# KiCad board Module_16S.kicad_pcb (continued)
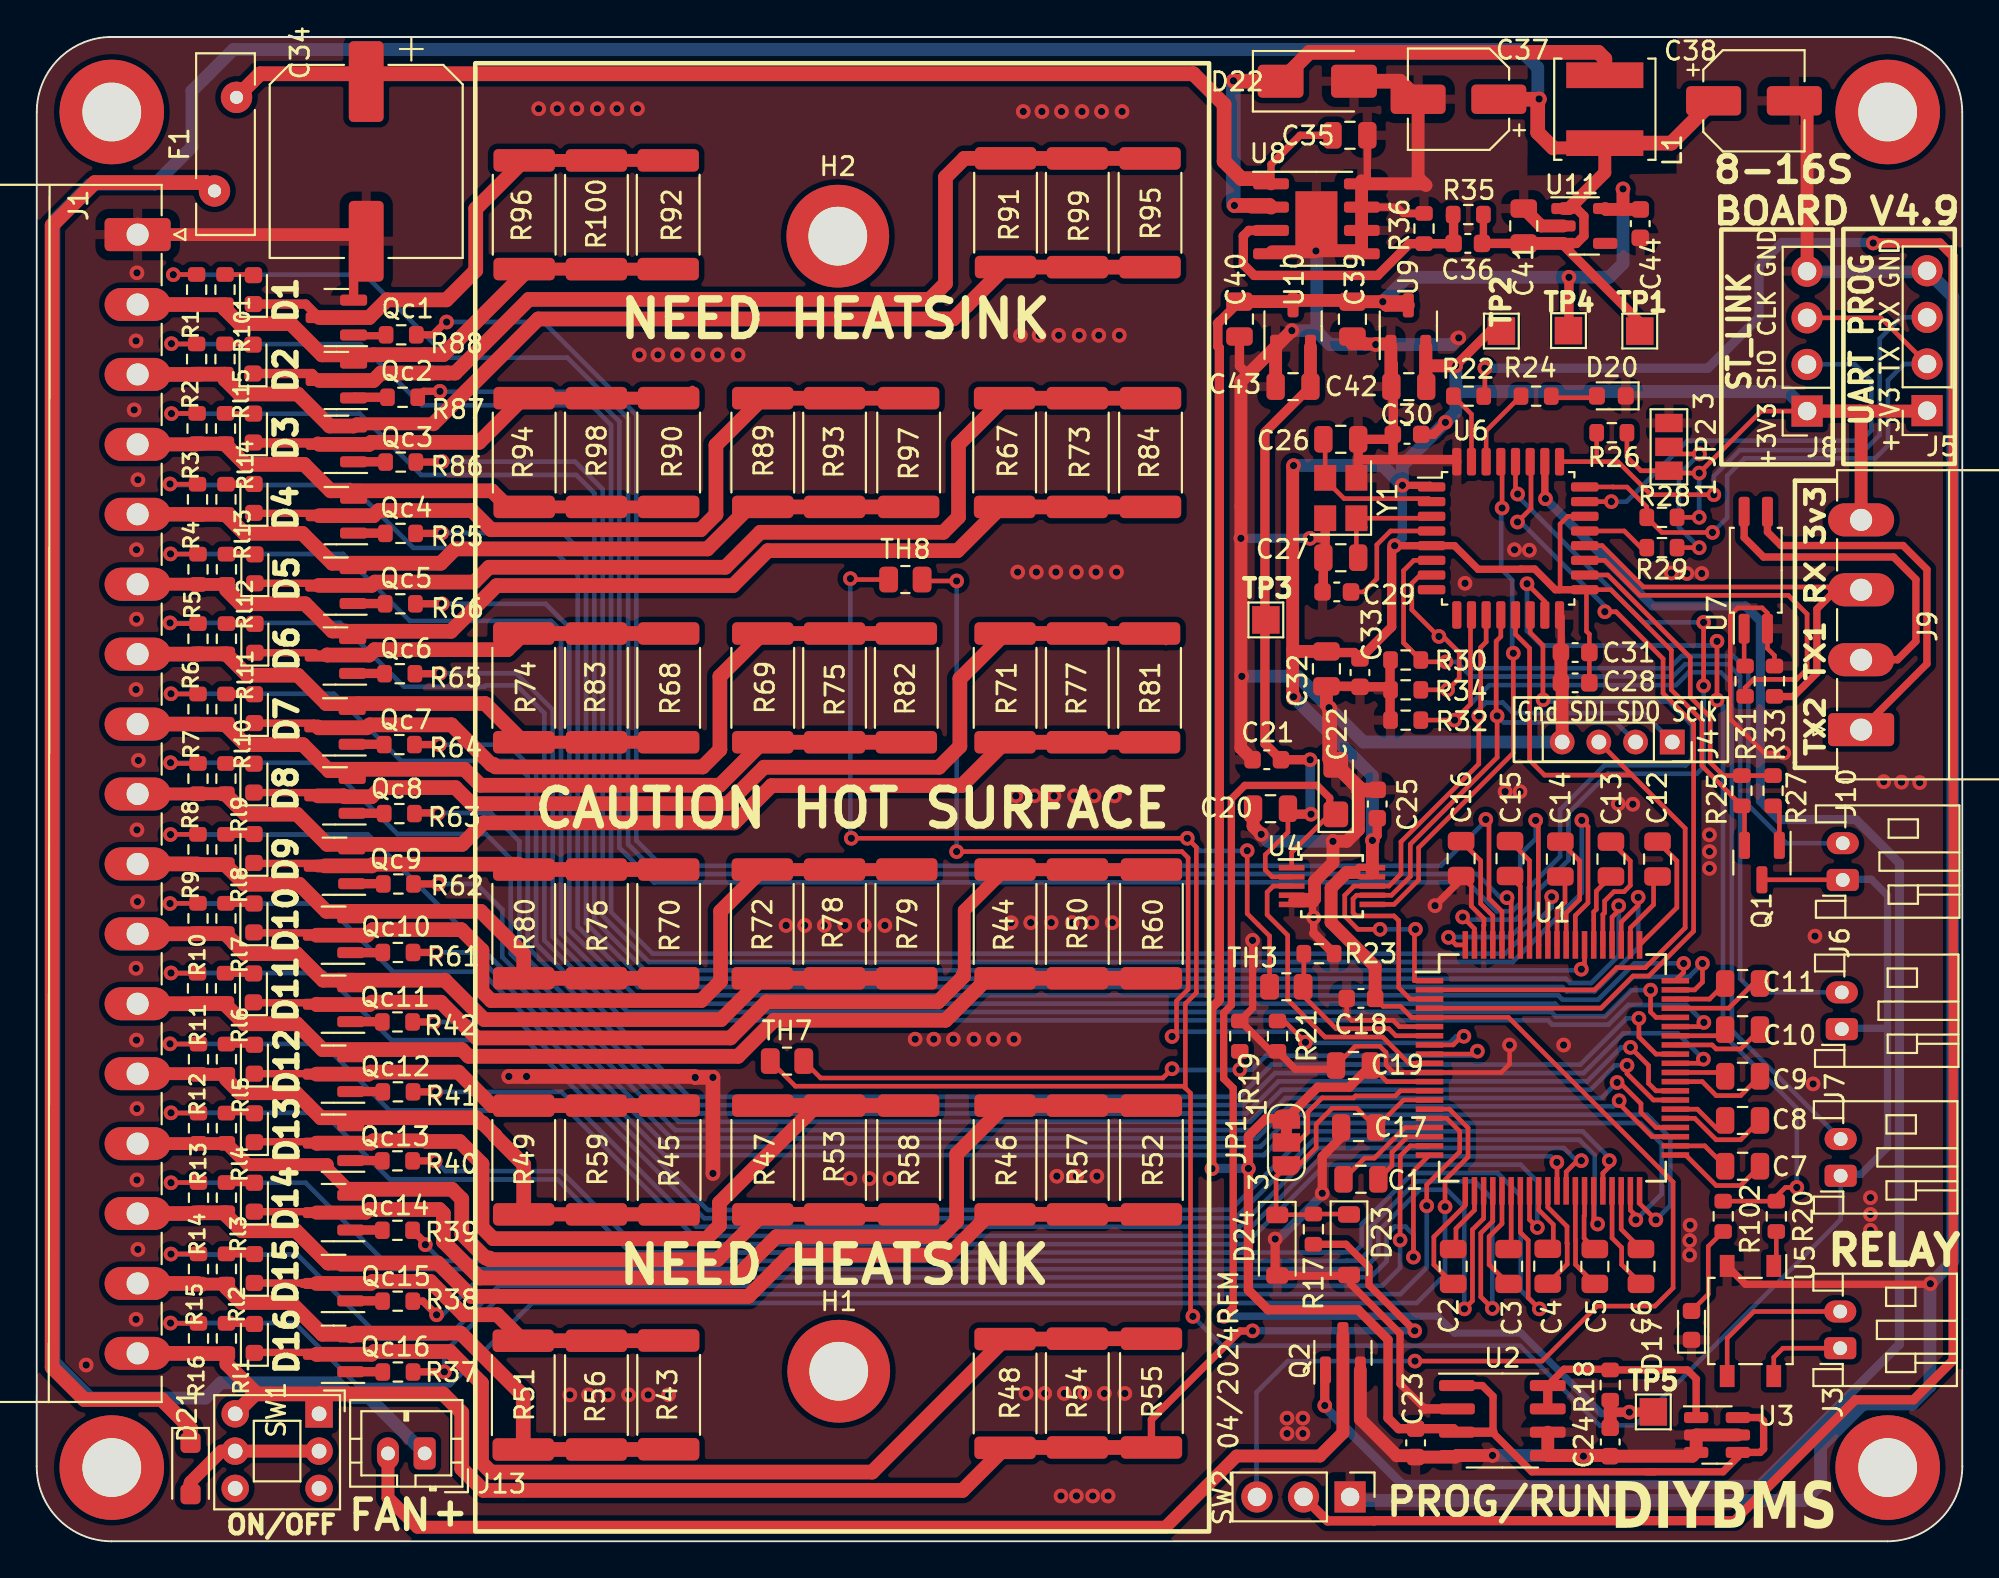
[diagram p0: board, top side]
## Library data of the parts (continued)
U5 = -: Description: Form A, Solid State Relay (Photo MOSFET) 60V, 0.2A, 10Ohm, SO-4; LCSCStockCode: C2691603; PartNumber: LT219-3
U6 = -: Description: STMicroelectronics Arm Cortex-M0 MCU, 32KB flash, 4KB RAM, 48 MHz, 2.4-3.6V, 25 GPIO, LQFP32; LCSCStockCode: C46830; PartNumber: STM32F030K6T6
U7 = -: Description: DC Optocoupler, Vce 35V, CTR 50-300%, DIP-4; LCSCStockCode: C32565
U8 = -: Description: Buck DC/DC Converter, 0.4A, Max 100V Input Voltage; LCSCStockCode: C50848
U9 = -: Description: Positive 60-250mA Low Dropout Regulator, Fixed Output, SOT-23; LCSCStockCode: C2891841
U10 = -: Description: Positive 60-250mA Low Dropout Regulator, Fixed Output, SOT-23; LCSCStockCode: C2984870
U11 = -: Description: 150mA low dropout linear regulator, wide input voltage range, 5.0V fixed positive output, SOT-23-5; LCSCStockCode: C112031
Y1 = -: Description: Four pin crystal, GND on pins 2 and 4, small symbol; LCSCStockCode: C400090; PartNumber: TAXM8M4RDBCCT2T

## Footprints (pads in the part's own frame, mm; a bottom-side part is the same pattern mirrored in y, then rotated)
C_0603_1608Metric
  rrect 0.9x0.95 smd: 1(-0.775,0) 2(0.775,0)
C_0805_2012Metric
  rrect 1x1.45 smd: 1(-0.95,0) 2(0.95,0)
CP_EIA-3216-18_Kemet-A
  rrect 1.4x1.35 smd: 1(-1.35,0) 2(1.35,0)
CP_Elec_5x5.4
  rrect 3x1.6 smd: 1(-2.2,0) 2(2.2,0)
CP_Elec_10x7.9
  rrect 4.4x1.9 smd: 1(-4.35,0) 2(4.35,0)
Crystal_SMD_3225-4Pin_3.2x2.5mm
  rect 1.4x1.2 smd: 1(-1.1,-0.85) 2(1.1,-0.85) 3(1.1,0.85) 4(-1.1,0.85)
D_SMA
  rrect 2.5x1.8 smd: 1(-2,0) 2(2,0)
D_SOD-123
  rrect 0.9x1.2 smd: 1(-1.65,0) 2(1.65,0)
D_SOD-123F
  rrect 1.1x1.1 smd: 1(-1.4,0) 2(1.4,0)
Fuse_Bourns_MF-RHT100
  round 1.71 hole 0.71: 1(0,0) 2(5.1,-1.2)
JST_PH_B2B-PH-K_1x02_P2.00mm_Vertical
  rrect 1.2x1.75 hole 0.75: 1(0,0)
  oval 1.2x1.75 hole 0.75: 2(2,0)
JST_PH_S2B-PH-K_1x02_P2.00mm_Horizontal
  rrect 1.2x1.75 hole 0.75: 1(0,0)
  oval 1.2x1.75 hole 0.75: 2(2,0)
L_Changjiang_FNR5020S
  rect 1.4x4.2 smd: 1(-1.85,0) 2(1.85,0)
LED_0603_1608Metric
  rrect 0.875x0.95 smd: 1(-0.787,0) 2(0.787,0)
LQFP-32_7x7mm_P0.8mm
  rrect 1.5x0.5 smd: 1(-4.175,2.8) 2(-4.175,2) 3(-4.175,1.2) 4(-4.175,0.4) 5(-4.175,-0.4) 6(-4.175,-1.2) 7(-4.175,-2) 8(-4.175,-2.8) 17(4.175,-2.8) 18(4.175,-2) 19(4.175,-1.2) 20(4.175,-0.4) 21(4.175,0.4) 22(4.175,1.2) 23(4.175,2) 24(4.175,2.8)
  rrect 0.5x1.5 smd: 9(-2.8,-4.175) 10(-2,-4.175) 11(-1.2,-4.175) 12(-0.4,-4.175) 13(0.4,-4.175) 14(1.2,-4.175) 15(2,-4.175) 16(2.8,-4.175) 25(2.8,4.175) 26(2,4.175) 27(1.2,4.175) 28(0.4,4.175) 29(-0.4,4.175) 30(-1.2,4.175) 31(-2,4.175) 32(-2.8,4.175)
MountingHole_3.2mm_M3_DIN965_Pad
  round 5.6 hole 3.2: 1(0,0)
MountingHole_3.2mm_M3_ISO7380_Pad
  round 5.7 hole 3.2: 1(0,0)
MountingHole_3.2mm_M3_ISO7380_Pad#2
  round 5.7 hole 3.2: 1(-0.102,0)
MSOP-10_3x3mm_P0.5mm
  rect 1.4x0.3 smd: 1(-2.2,1) 2(-2.2,0.5) 3(-2.2,0) 4(-2.2,-0.5) 5(-2.2,-1) 6(2.2,-1) 7(2.2,-0.5) 8(2.2,0) 9(2.2,0.5) 10(2.2,1)
PhoenixContact_MC_1,5_4-G-3.81_1x04_P3.81mm_Horizontal
  rrect 1.8x3.6 hole 1.2: 1(0,0)
  oval 1.8x3.6 hole 1.2: 2(3.81,0) 3(7.62,0) 4(11.43,0)
PinHeader_1x03_P2.54mm_Vertical
  rect 1.7x1.7 hole 1: 1(0,0)
  oval 1.7x1.7 hole 1: 2(0,-2.54) 3(0,-5.08)
PinSocket_1x04_P2.00mm_Vertical
  rect 1.35x1.35 hole 0.8: 1(0,0)
  oval 1.35x1.35 hole 0.8: 2(0,-2) 3(0,-4) 4(0,-6)
PinSocket_1x04_P2.54mm_Vertical
  rect 1.7x1.7 hole 1: 1(0,0)
  oval 1.7x1.7 hole 1: 2(0,-2.54) 3(0,-5.08) 4(0,-7.62)
R_0603_1608Metric
  rrect 0.8x0.95 smd: 1(-0.825,0) 2(0.825,0)
R_0805_2012Metric
  rrect 1.025x1.4 smd: 1(-0.912,0) 2(0.912,0)
R_2512_6332Metric
  rrect 1.225x3.35 smd: 1(-2.962,0) 2(2.962,0)
SO-4_4.4x4.3mm_P2.54mm
  rect 1.2x0.8 smd: 1(-3,1.27) 2(-3,-1.27) 3(3,-1.27) 4(3,1.27)
SOIC-8-1EP_3.9x4.9mm_P1.27mm_EP2.29x3mm
  rrect 0.92x1.21 smd: (-0.57,0.75) (-0.57,-0.75) (0.57,0.75) (0.57,-0.75)
  rrect 1.95x0.6 smd: 1(-2.475,1.905) 2(-2.475,0.635) 3(-2.475,-0.635) 4(-2.475,-1.905) 5(2.475,-1.905) 6(2.475,-0.635) 7(2.475,0.635) 8(2.475,1.905)
  rect 2.29x3 smd: 9(0,0)
SOIC-8_3.9x4.9mm_P1.27mm
  rrect 1.95x0.6 smd: 1(-2.475,1.905) 2(-2.475,0.635) 3(-2.475,-0.635) 4(-2.475,-1.905) 5(2.475,-1.905) 6(2.475,-0.635) 7(2.475,0.635) 8(2.475,1.905)
SolderJumper-3_P1.3mm_Bridged12_RoundedPad1.0x1.5mm_NumberLabels
  custom 1.05x1.5 smd: 1(-1.3,0) 3(1.3,0)
  rect 1x1.5 smd: 2(0,0)
SolderJumper-3_P1.3mm_Open_Pad1.0x1.5mm_NumberLabels
  rect 1x1.5 smd: 1(-1.3,0) 2(0,0) 3(1.3,0)
SOP-4_4.4x2.6mm_P1.27mm
  rrect 1.625x0.6 smd: 1(-3.188,0.635) 2(-3.188,-0.635) 3(3.188,-0.635) 4(3.188,0.635)
SOT-23
  rrect 1.475x0.6 smd: 1(-0.938,0.95) 2(-0.938,-0.95) 3(0.938,0)
SOT-23-3
  rrect 1.325x0.6 smd: 1(-1.137,0.95) 2(-1.137,-0.95) 3(1.137,0)
SOT-23-5
  rrect 1.325x0.6 smd: 1(-1.137,0.95) 2(-1.137,0) 3(-1.137,-0.95) 4(1.137,-0.95) 5(1.137,0.95)
SOT-23-6
  rrect 1.325x0.6 smd: 1(-1.137,0.95) 2(-1.137,0) 3(-1.137,-0.95) 4(1.137,-0.95) 5(1.137,0) 6(1.137,0.95)
SW_Push_2P2T_Toggle_G_swicht
  rect 1.5x1.5 hole 0.8: 1(0,0)
  round 1.5 hole 0.8: 2(2.032,0) 3(4.064,0) 4(0,-4.572) 5(2.032,-4.572) 6(4.064,-4.572)
TestPoint_Pad_1.5x1.5mm
  rect 1.5x1.5 smd: 1(0,0)
TQFP-80_12x12mm_P0.5mm
  rect 1.5x0.3 smd: 1(-6.7,4.75) 2(-6.7,4.25) 3(-6.7,3.75) 4(-6.7,3.25) 5(-6.7,2.75) 6(-6.7,2.25) 7(-6.7,1.75) 8(-6.7,1.25) 9(-6.7,0.75) 10(-6.7,0.25) 11(-6.7,-0.25) 12(-6.7,-0.75) 13(-6.7,-1.25) 14(-6.7,-1.75) 15(-6.7,-2.25) 16(-6.7,-2.75) 17(-6.7,-3.25) 18(-6.7,-3.75) 19(-6.7,-4.25) 20(-6.7,-4.75) 41(6.7,-4.75) 42(6.7,-4.25) 43(6.7,-3.75) 44(6.7,-3.25) 45(6.7,-2.75) 46(6.7,-2.25) 47(6.7,-1.75) 48(6.7,-1.25) 49(6.7,-0.75) 50(6.7,-0.25) 51(6.7,0.25) 52(6.7,0.75) 53(6.7,1.25) 54(6.7,1.75) 55(6.7,2.25) 56(6.7,2.75) 57(6.7,3.25) 58(6.7,3.75) 59(6.7,4.25) 60(6.7,4.75)
  rect 0.3x1.5 smd: 21(-4.75,-6.7) 22(-4.25,-6.7) 23(-3.75,-6.7) 24(-3.25,-6.7) 25(-2.75,-6.7) 26(-2.25,-6.7) 27(-1.75,-6.7) 28(-1.25,-6.7) 29(-0.75,-6.7) 30(-0.25,-6.7) 31(0.25,-6.7) 32(0.75,-6.7) 33(1.25,-6.7) 34(1.75,-6.7) 35(2.25,-6.7) 36(2.75,-6.7) 37(3.25,-6.7) 38(3.75,-6.7) 39(4.25,-6.7) 40(4.75,-6.7) 61(4.75,6.7) 62(4.25,6.7) 63(3.75,6.7) 64(3.25,6.7) 65(2.75,6.7) 66(2.25,6.7) 67(1.75,6.7) 68(1.25,6.7) 69(0.75,6.7) 70(0.25,6.7) 71(-0.25,6.7) 72(-0.75,6.7) 73(-1.25,6.7) 74(-1.75,6.7) 75(-2.25,6.7) 76(-2.75,6.7) 77(-3.25,6.7) 78(-3.75,6.7) 79(-4.25,6.7) 80(-4.75,6.7)
WJ15EDGRC-3.81-17P
  rrect 1.8x3.6 hole 1.2: 1(0,0)
  oval 1.8x3.6 hole 1.2: 2(3.81,0) 3(7.62,0) 4(11.43,0) 5(15.24,0) 6(19.05,0) 7(22.86,0) 8(26.67,0) 9(30.48,0) 10(34.29,0) 11(38.1,0) 12(41.91,0) 13(45.72,0) 14(49.53,0) 15(53.34,0) 16(57.15,0) 17(60.96,0)

## Nets
3V3_ADC_CS: U4.6 U6.29
3V3_AFE_CS: U1.80 U6.28
3V3_SAMPLE_AFE: U1.4 U6.27
3V3_SPI_SCLK: J4.1 U1.1 U4.8 U6.11
3V3_SPI_SDI: J4.3 U1.2 U6.13
3V3_SPI_SDO: J4.2 U1.3 U4.7 U6.12
+1V8: C20.1 C21.1 C43.1 TP3.1 U4.2 U10.2
+3.3V: C18.1 C25.1 C28.2 C30.2 C31.2 C32.2 C33.2 C42.1 J5.1 J8.1 J9.4 JP2.1 Q1.2 R25.2 R26.2 R28.2 SW2.3 TP2.1 U1.5 U4.9 U4.10 U6.1 U6.5 U6.17 U6.22 U9.2
+5V: C19.1 C23.2 C39.1 C40.1 C44.1 JP1.1 TP4.1 U1.12 U2.1 U2.3 U3.4 U3.6 U9.3 U10.3 U11.5
GND: C16.2 C17.2 C18.2 C19.2 C20.2 C21.2 C22.2 C23.1 C24.1 C25.2 C26.1 C27.1 C28.1 C29.1 C30.1 C31.1 C32.1 C33.1 C34.2 C35.2 C37.2 C38.2 C39.2 C40.2 C41.2 C42.2 C43.2 C44.2 D17.1 D20.1 D22.2 D23.2 D24.2 J1.1 J4.4 J5.4 J8.4 JP2.3 Q2.2 Qc1.2 R19.1 R21.1 R23.1 R30.2 R32.2 R33.2 R34.2 R36.2 SW2.1 U1.6 U1.11 U1.78 U2.2 U2.4 U2.5 U2.6 U3.2 U3.3 U3.5 U4.4 U4.5 U5.2 U6.16 U6.32 U7.2 U8.4 U8.5 U8.6 U8.7 U8.8 U8.9 U9.1 U10.1 U11.2 Y1.2 Y1.4
/AFE_PWR: C17.1 D23.1 D24.1 JP1.3 R17.1 U1.14
/LDOIN: JP1.2 U1.13
/STM32/ADC_TH3: J6.2 R30.1 U6.6
/STM32/ADC_TH4: J10.2 R34.1 U6.7
/STM32/ADC_TH5: J7.2 R32.1 U6.10
AFE_EN: U1.79 U6.14
AOUT: U1.10 U4.3
BA1: R88.1 U1.76
BA2: R87.1 U1.72
BA3: R86.1 U1.68
BA4: R85.1 U1.64
BA5: R66.1 U1.60
BA6: R65.1 U1.56
BA7: R64.1 U1.52
BA8: R63.1 U1.48
BA9: R62.1 U1.44
BA10: R61.1 U1.40
BA11: R42.1 U1.36
BA12: R41.1 U1.32
BA13: R40.1 U1.28
BA14: R39.1 U1.24
BA15: R38.1 U1.20
BA16: R37.1 U1.16
CV1: J1.2 Qc2.2 R1.2 R92.2 R96.2 R100.2 R101.1
CV2: J1.3 Qc3.2 R2.2 R91.2 R95.2 R99.2 Rl15.1
CV3: J1.4 Qc4.2 R3.2 R90.2 R94.2 R98.2 Rl14.1
CV4: J1.5 Qc5.2 R4.2 R89.2 R93.2 R97.2 Rl13.1
CV5: J1.6 Qc6.2 R5.2 R67.2 R73.2 R84.2 Rl12.1
CV6: J1.7 Qc7.2 R6.2 R68.2 R74.2 R83.2 Rl11.1
CV7: J1.8 Qc8.2 R7.2 R69.2 R75.2 R82.2 Rl10.1
CV8: J1.9 Qc9.2 R8.2 R71.2 R77.2 R81.2 Rl9.1
CV9: J1.10 Qc10.2 R9.2 R70.2 R76.2 R80.2 Rl8.1
CV10: J1.11 Qc11.2 R10.2 R72.2 R78.2 R79.2 Rl7.1
CV11: J1.12 Qc12.2 R11.2 R44.2 R50.2 R60.2 Rl6.1
CV12: J1.13 Qc13.2 R12.2 R45.2 R49.2 R59.2 Rl5.1
CV13: J1.14 Qc14.2 R13.2 R47.2 R53.2 R58.2 Rl4.1
CV14: J1.15 Qc15.2 R14.2 R46.2 R52.2 R57.2 Rl3.1
CV15: J1.16 Qc16.2 R15.2 R43.2 R51.2 R56.2 Rl2.1
CV16: J1.17 R16.2 R17.2 R48.2 R54.2 R55.2 Rl1.1 SW1.1 SW1.4
FAN: Q2.1 U6.26
PA8: R25.1 R27.1 U6.18
RELAY1: R20.1 R102.2 U6.15
RX: J9.3 R33.1 U6.20
STEP_DOWN_V: C36.1 C37.1 C38.1 C41.1 J13.1 L1.2 R35.1 TP1.1 U11.1 U11.3
SWCLK_USART_PROG1: J5.2 J8.3 R28.1 U6.24
SWDIO: J8.2 U6.23
T1: R19.2 TH7.2 U1.9
T2: R21.2 TH8.2 U1.8
T3: R23.2 TH3.2 U1.7
TH_ENABLE: J6.1 J7.1 J10.1 Q1.3 TH3.1 TH7.1 TH8.1
TX: R31.1 U6.19
USART_PROG2: J5.3 R26.1 U6.25
VREF4096: C22.1 C24.2 R18.2 TP5.1 U4.1
Net-(D1-A): D1.2 R101.2
Net-(D1-K): D1.1 Qc1.3 R92.1 R96.1 R100.1
Net-(D2-A): D2.2 Rl15.2
Net-(D2-K): D2.1 Qc2.3 R91.1 R95.1 R99.1
Net-(D3-A): D3.2 Rl14.2
Net-(D3-K): D3.1 Qc3.3 R90.1 R94.1 R98.1
Net-(D4-A): D4.2 Rl13.2
Net-(D4-K): D4.1 Qc4.3 R89.1 R93.1 R97.1
Net-(D5-A): D5.2 Rl12.2
Net-(D5-K): D5.1 Qc5.3 R67.1 R73.1 R84.1
Net-(D6-A): D6.2 Rl11.2
Net-(D6-K): D6.1 Qc6.3 R68.1 R74.1 R83.1
Net-(D7-A): D7.2 Rl10.2
Net-(D7-K): D7.1 Qc7.3 R69.1 R75.1 R82.1
Net-(D8-A): D8.2 Rl9.2
Net-(D8-K): D8.1 Qc8.3 R71.1 R77.1 R81.1
Net-(D9-A): D9.2 Rl8.2
Net-(D9-K): D9.1 Qc9.3 R70.1 R76.1 R80.1
Net-(D10-A): D10.2 Rl7.2
Net-(D10-K): D10.1 Qc10.3 R72.1 R78.1 R79.1
Net-(D11-A): D11.2 Rl6.2
Net-(D11-K): D11.1 Qc11.3 R44.1 R50.1 R60.1
Net-(D12-A): D12.2 Rl5.2
Net-(D12-K): D12.1 Qc12.3 R45.1 R49.1 R59.1
Net-(D13-A): D13.2 Rl4.2
Net-(D13-K): D13.1 Qc13.3 R47.1 R53.1 R58.1
Net-(D14-A): D14.2 Rl3.2
Net-(D14-K): D14.1 Qc14.3 R46.1 R52.1 R57.1
Net-(D15-A): D15.2 Rl2.2
Net-(D15-K): D15.1 Qc15.3 R43.1 R51.1 R56.1
Net-(D16-A): D16.2 Rl1.2
Net-(D16-K): D16.1 Qc16.3 R48.1 R54.1 R55.1
Net-(D17-A): D17.2 R102.1
Net-(D20-A): D20.2 R24.1
Net-(D21-A): D21.2 SW1.2 SW1.5
Net-(D21-K): D21.1 F1.1
Net-(D22-K): D22.1 L1.1 U8.2
Net-(J3-Pin_1): J3.1 U5.4
Net-(J3-Pin_2): J3.2 U5.3
Net-(J9-Pin_1): J9.1 U7.3
Net-(J9-Pin_2): J9.2 U7.4
Net-(J13-Pin_2): J13.2 Q2.3
Net-(JP2-C): JP2.2 R29.2
Net-(Q1-G): Q1.1 R27.2
Net-(Qc1-G): Qc1.1 R88.2
Net-(Qc2-G): Qc2.1 R87.2
Net-(Qc3-G): Qc3.1 R86.2
Net-(Qc4-G): Qc4.1 R85.2
Net-(Qc5-G): Qc5.1 R66.2
Net-(Qc6-G): Qc6.1 R65.2
Net-(Qc7-G): Qc7.1 R64.2
Net-(Qc8-G): Qc8.1 R63.2
Net-(Qc9-G): Qc9.1 R62.2
Net-(Qc10-G): Qc10.1 R61.2
Net-(Qc11-G): Qc11.1 R42.2
Net-(Qc12-G): Qc12.1 R41.2
Net-(Qc13-G): Qc13.1 R40.2
Net-(Qc14-G): Qc14.1 R39.2
Net-(Qc15-G): Qc15.1 R38.2
Net-(Qc16-G): Qc16.1 R37.2
Net-(R20-Pad2): R20.2 U5.1
Net-(R31-Pad2): R31.2 U7.1
Net-(SW2A-B): R22.1 SW2.2
Net-(U1-CB2): C15.2 U1.74
Net-(U1-CB3): C14.2 U1.70
Net-(U1-CB4): C13.2 U1.66
Net-(U1-CB5): C12.2 U1.62
Net-(U1-CB6): C11.2 U1.58
Net-(U1-CB7): C10.2 U1.54
Net-(U1-CB8): C9.2 U1.50
Net-(U1-CB9): C8.2 U1.46
Net-(U1-CB10): C7.2 U1.42
Net-(U1-CB11): C6.2 U1.38
Net-(U1-CB12): C5.2 U1.34
Net-(U1-CB13): C4.2 U1.30
Net-(U1-CB14): C3.2 U1.26
Net-(U1-CB15): C2.2 U1.22
Net-(U1-CB16): C1.2 U1.18
Net-(U1-CT1): C16.1 U1.77
Net-(U1-CT2): C15.1 U1.73
Net-(U1-CT3): C14.1 U1.69
Net-(U1-CT4): C13.1 U1.65
Net-(U1-CT5): C12.1 U1.61
Net-(U1-CT6): C11.1 U1.57
Net-(U1-CT7): C10.1 U1.53
Net-(U1-CT8): C9.1 U1.49
Net-(U1-CT9): C8.1 U1.45
Net-(U1-CT10): C7.1 U1.41
Net-(U1-CT11): C6.1 U1.37
Net-(U1-CT12): C5.1 U1.33
Net-(U1-CT13): C4.1 U1.29
Net-(U1-CT14): C3.1 U1.25
Net-(U1-CT15): C2.1 U1.21
Net-(U1-CT16): C1.1 U1.17
Net-(U1-CV1): R1.1 U1.75
Net-(U1-CV2): R2.1 U1.71
Net-(U1-CV3): R3.1 U1.67
Net-(U1-CV4): R4.1 U1.63
Net-(U1-CV5): R5.1 U1.59
Net-(U1-CV6): R6.1 U1.55
Net-(U1-CV7): R7.1 U1.51
Net-(U1-CV8): R8.1 U1.47
Net-(U1-CV9): R9.1 U1.43
Net-(U1-CV10): R10.1 U1.39
Net-(U1-CV11): R11.1 U1.35
Net-(U1-CV12): R12.1 U1.31
Net-(U1-CV13): R13.1 U1.27
Net-(U1-CV14): R14.1 U1.23
Net-(U1-CV15): R15.1 U1.19
Net-(U1-CV16): R16.1 U1.15
Net-(U2-FB): R18.1 U2.7 U2.8 U3.1
Net-(U6-BOOT0): R22.2 U6.31
Net-(U6-NRST): C29.2 U6.4
Net-(U6-PA11): R29.1 U6.21
Net-(U6-PB7): R24.2 U6.30
Net-(U6-PF0): C26.2 U6.2 Y1.3
Net-(U6-PF1): C27.2 U6.3 Y1.1
Net-(U8-FB): C36.2 R35.2 R36.1 U8.3
Net-(U8-VIN): C34.1 C35.1 F1.2 U8.1

Pads without a net: H1 1; H2 1; H3 1; H4 1; H5 1; H6 1; SW1 3 6; U6 8 9; U11 4

## Via types
v1: diameter 0.8, hole 0.4, Top to Bottom, 279 vias

## Routing (per net, layer and track width the routed paths; a pad name or vN(x,y) marks a point on that pad's centre or on a via; arc(x,y) is an arc through that point)
3V3_ADC_CS: length 28.3
  Top w0.254: U4.6 73.99,34.7 75.33,36.04 75.33,37.79 80.49,42.95 v1(80.49,48.39) ; v1(79.88,56.3) 79.88,58.76 U6.29
  Bottom w0.254: v1(80.49,48.39) 80.43,48.45 80.43,52.37 79.83,52.97 79.83,56.25 v1(79.88,56.3)
3V3_AFE_CS: length 43.7
  Top w0.254: U6.28 80.61,57.18 v1(80.72,57.06) ; v1(90.86,50.07) v1(90.86,46.62) ; U1.80 77.37,32.5 v1(76.96,32.91)
  Bottom w0.254: v1(80.72,57.06) 80.72,56.95 87.61,50.07 v1(90.86,50.07) ; v1(90.86,46.62) 90.86,42.19 90.49,41.82 85.64,41.82 83.49,39.67 83.49,37.11 81.78,35.4 81.78,34.4 80.31,32.92 76.97,32.92 v1(76.96,32.91)
3V3_SAMPLE_AFE: length 46.5
  Top w0.254: v1(85.47,50.65) 86.08,50.65 88.65,48.09 88.65,46.21 90.32,44.54 90.32,33.25 87.87,30.8 87.02,30.8 85.26,29.05 U1.4 ; v1(80.71,55.54) 81.45,56.28 81.45,58.78 U6.27
  Bottom w0.254: v1(85.47,50.65) 85.47,50.96 80.89,55.54 v1(80.71,55.54)
3V3_SPI_SCLK: length 41.1
  Top w0.254: v1(73.22,33.35) 72.01,33.35 71.3,34.06 71.3,35.2 71.8,35.7 U4.8 73.7,35.7 74.36,36.36 74.36,38.11 78.61,42.36 v1(78.61,44.97) 78.71,45.07 78.71,48.71 79.01,49.01 79.01,50.97 79.1,51.06 ; v1(75.15,33.35) 75.1,33.3 75.1,30.55 U1.1
  Bottom w0.254: v1(73.22,33.35) v1(75.15,33.35) ; J4.1 87.58,45.13 80.48,45.13 79.91,45.7 78.98,45.7 78.61,45.33 v1(78.61,44.97)
3V3_SPI_SDI: length 41.6
  Top w0.254: 86.96,41.74 J4.3 ; 86.96,41.74 86.95,41.75 82.19,41.75 81.37,42.56 81.37,48.66 80.61,49.42 U6.13 ; 86.96,41.74 89.86,38.85 89.86,33.43 87.68,31.26 86.12,31.26 84.91,30.05 U1.2
3V3_SPI_SDO: length 37.1
  Top w0.254: U6.12 79.81,49.3 79.55,49.04 79.55,45.03 v1(79.61,44.97) 79.61,42.71 74.87,37.98 74.87,36.23 73.85,35.2 U4.7 71.94,35.2 71.75,35.01 71.75,34.25 71.93,34.08 73.98,34.08 74.24,33.82 74.24,30.17 74.87,29.55 U1.3
  Bottom w0.254: 79.61,44.97 79.96,44.62 86.08,44.62 J4.2
+1V8: length 35.5
  Top w0.254: C20.1 68.2,38.64 66.97,37.4 66.97,36.58 67.35,36.2 U4.2
  Top w0.508: 68.13,39.92 C20.1 68.5,39.62 v1(69.46,39.62) ; v1(69.41,42.59) C21.1 66.95,43.46 66.95,60.43 C43.1 69.3,62.92
  Top w0.7: C43.1 U10.2
  Bottom w0.508: v1(69.46,39.62) 69.41,39.66 v1(69.41,42.59)
+3.3V: length 226.4
  Top w0.25: 74.33,57.65 v1(74.44,57.54) ; U6.22 83.46,55.85 83.04,55.43 83.04,51.88 83.01,51.85 ; 73.07,38.45 73.07,39.29 72.98,39.37 ; v1(75.13,9.82) 82.06,9.82 85.06,12.82 88.21,12.82 89.2,13.81 89.2,19.57 80.22,28.55 U1.5 ; R25.2 90.77,42.25 90.77,44.73 89.1,46.39 89.1,48.55 85.8,51.85 U6.17 84.47,51.76 84.47,49.59 84.63,49.43 C28.2
  Top w0.254: v1(90.62,55.79) R28.2 ; U1.5 74.94,28.55 74.34,29.15 73.39,29.15 C18.1 ; Q1.2 93.09,39.93 R25.2 ; 86.68,59.9 86.68,59.1 87.45,58.33 JP2.1 89.1,58.21 v1(90.62,58.21) 94,61.58 J8.1 ; U4.9 72.04,36.2 71.8,36.44
  Top w0.4: 72.79,36.72 72.08,36.72 71.8,36.44 ; v1(74.44,57.54) 75.94,57.54 U6.1 ; v1(74.02,54.25) 76.03,54.25 U6.5 77.28,54.25 78.57,52.96 80.89,52.96 80.9,52.98 81.65,52.98 82.78,51.85 U6.17
  Top w0.5: v1(72.81,38.19) 73.07,38.45 C25.1
  Top w0.508: v1(74.02,54.25) 73.86,54.09 73.86,49.82 72.14,48.11 C33.2 71.81,48.43 70.36,48.43 C32.2 ; C30.2 76.13,60.31 v1(76.78,60.97) ; v1(77.35,64.05) 77.35,64.06 79.23,65.94 TP2.1
  Top w0.7: 75.65,62.54 75.74,62.63 75.72,62.66 U9.2 75.72,62.94 75.86,62.79 ; 68.52,58.59 68.46,58.52 68.46,48.55 ; 68.46,48.55 68.53,48.49 C32.2 ; 68.46,48.55 68.46,45.91 ; 72.81,36.44 72.81,36.45 v1(72.81,38.19) ; C18.1 72.95,31.32 70.56,33.72 70.56,35.6 71.4,36.44 71.8,36.44 ; J9.4 99.44,61.53 99.39,61.58 J8.1 103.02,61.58 J5.1 ; 75.97,64.05 v1(77.35,64.05)
  Bottom w0.25: SW2.3 66.49,2.44 66.49,8.12 68.19,9.82 v1(75.13,9.82) ; 68.52,58.62 v1(68.51,58.61) ; 68.5,46.01 v1(68.51,46.01)
  Bottom w0.254: v1(90.62,58.21) v1(90.62,55.79)
  Bottom w0.508: v1(74.02,54.25) 74.44,54.67 v1(74.44,57.54)
  Bottom w0.7: J8.1 95.43,62.65 77.35,62.65 ; 77.35,62.65 77.35,61.53 v1(76.78,60.97) 74.44,58.62 v1(74.44,57.54) 73.35,58.62 68.52,58.62 ; 77.35,62.65 v1(77.35,64.05) ; 68.5,46.01 72.81,41.71 v1(72.81,38.19)
+5V: length 149.9
  Top w0.25: U1.12 73.6,25.05 C19.1
  Top w0.254: 71.56,24.75 C19.1
  Top w0.4: U3.6 93.94,6.74 94.13,6.56 94.13,5.03 93.94,4.84 U3.4 92.73,4.6 91.92,3.79 87.74,3.79 ; 88.2,3.79 81.5,3.79 79.38,5.91 79.38,7.9 78.8,8.49 U2.1
  Top w0.508: 64.49,66.48 64.48,66.48 64.36,66.36 ; 64.49,66.48 C40.1 ; 64.49,66.48 64.38,66.37 64.38,65.11 64.46,65.02 64.46,29.49 ; 64.4,29.42 64.05,29.07 64.05,20.32 v1(64.06,20.31) ; v1(83.52,68.87) 83.52,65.99 TP4.1 ; 71.65,67.61 C39.1 ; 68.29,67.55 U10.3 68.74,67.61 ; C19.1 71.54,24.74 69.83,24.74 JP1.1 67,23.03 66.05,22.08 v1(66.05,20.32) 66.05,20.32 66.05,13.69 67.13,12.61 72.03,12.61 73.66,10.98 73.66,6.72 74.24,6.14 77.22,6.14 U2.3 79.38,5.95 ; 74.57,67.54 U9.3
  Top w0.7: 86.49,72.57 86.47,72.6 v1(86.47,73.69) ; 86.49,72.57 C44.1 87.42,72.56 ; 86.49,72.57 85.54,72.57 U11.5 ; U9.3 73.57,67.35 v1(73.37,67.54) ; C39.1 74.57,67.54 ; 68.74,67.61 71.65,67.61 ; C40.1 68.29,67.55
  Bottom w0.508: v1(64.06,20.31) 64.07,20.32 v1(66.05,20.32)
  Bottom w0.7: v1(86.47,73.69) 86.47,69.63 85.71,68.87 v1(83.52,68.87) 74.7,68.87 v1(73.37,67.54)
GND: length 433.1
  Top w0.25: C17.2 71.1,22 ; 70.62,25.72 C19.2 71.87,26.97 73.21,26.97 73.55,26.64 73.55,25.95 73.95,25.55 U1.11 79.83,25.55 80.29,26.01 80.28,26.02 v1(80.28,27.04) ; C31.1 83.1,48.44 ; 83.1,50.38 U6.16 ; R33.2 94.72,48.26 94.34,48.64 94.34,50.58 94.05,50.86 92.72,50.86 92.31,50.45 92.31,45.54 92.31,45.53 92.31,44.81 94.16,42.96 v1(95.23,42.96)
  Top w0.254: 70.23,56.14 Y1.4 ; C18.2 71.4,28.65 71.67,28.39 73.93,28.39 74.27,28.05 U1.6 ; U4.4 U4.5 ; U4.4 69.23,35.2 69.54,34.89 ; U4.4 68.41,35.06 68.57,34.89 ; U1.78 78.87,33.55 78.89,33.57 78.89,33.92 78.2,34.61 78.2,35.69 C16.2 77.77,36.12 ; Y1.2 71.93,57.84 ; 70.53,41.98 70.94,41.98
  Top w0.4: v1(103.22,14.04) 103.19,14 93.14,14 U5.2 92.14,15.25 ; C35.2 72.53,74.27 U8.8 ; R36.2 74.49,72.36 74.15,72.7 U8.7 ; v1(76.22,34.64) 77.64,36.06 C16.2 ; 71.62,14.44 71.62,14.01 74.31,11.32 74.31,8.58 75.65,7.24 ; 71.62,14.44 67.61,14.44 67.56,14.49 71.57,14.49 71.62,14.44 ; 69.54,34.89 69.54,34.05 v1(69.61,33.99) 69.61,33.13 ; v1(66.27,32.74) 66.27,29.05 R19.1 65.61,28.35 67.26,26.7 R21.1 68.61,25.72 70.62,25.72 ; 83.1,48.44 83.1,50.38
  Top w0.5: 69.64,34.79 69.54,34.89
  Top w0.508: R34.2 73.63,46.56 C33.1 72.1,46.59 C32.1 ; C30.1 73.93,60.3 73.93,58.94 ; C30.1 73.95,60.34 73.95,62.3 ; C30.1 73.65,60.05 C26.1 ; C26.1 72.03,58.04 Y1.2 ; C26.1 72.03,60.12 ; D24.2 68.48,14.48 ; 72.03,58.94 73.93,58.94 ; 73.93,58.94 77.29,58.94 U6.32 ; C40.2 65.56,64.04 66.02,63.58 ; 70.23,54.68 70.23,53.69 C27.1 70.13,51.77 C29.1 ; 70.23,54.68 Y1.4 ; 70.23,54.68 69.31,54.68 69.29,54.71 ; Qc1.2 17.27,70.15 C34.2 ; 73.95,62.04 73.95,62.04 73.95,62.3 ; 73.77,44.82 73.77,48.02 73.75,48 ; 73.95,62.3 73.95,64.17 ; 65.64,56.36 65.54,56.45 ; 67.56,14.49 67.51,14.54 v1(67.51,16.47) ; 75.62,7.22 75.65,7.24 75.67,7.22 U2.2 ; 65.54,47.28 v1(65.69,47.13) ; 71.1,22 70.32,21.22 70.32,21.21 70.07,20.96 v1(70.07,18.96) ; 69.61,33.13 R23.1 ; 65.64,56.24 65.54,56.33
  Top w0.7: 69.68,70.32 69.61,70.26 67.33,70.26 ; 69.68,70.32 69.68,72.16 69.74,72.23 ; 69.68,70.32 69.72,70.32 v1(69.73,70.31) 69.74,70.32 72.22,70.32 72.22,74.13 ; U2.6 U2.5 84.27,4.68 v1(84.31,4.64) 84.35,4.68 85.73,4.68 C24.1 90.25,4.64 U3.3 U3.2 U3.5 ; C43.2 U10.1 67.53,65.08 v1(68.42,65.97) 65.64,63.19 65.64,43.22 C21.2 ; 69.64,33.95 v1(69.61,33.99) ; C41.2 82.01,71.67 U11.2 ; C37.2 75.3,74.31 75.72,73.89 75.65,73.97 72.29,73.97 ; v1(66.74,38.52) 66.3,38.96 C20.2 ; C38.2 96.5,77.79 J8.4 ; 73.84,62.63 73.82,62.66 U9.1 73.65,65.24 73.02,65.24 v1(72.99,65.21) 72.95,65.24 72.4,65.24 72.38,65.26 71.72,65.26 71.7,65.24 ; J1.1 17.6,71.2 C34.2 ; 70.26,46.55 C32.1 70.3,45.57 v1(70.44,45.42) ; 72.04,40.93 72.04,38.77 71.41,38.14 v1(70.66,38.14) 70.66,36.97 69.66,35.97 69.66,35 69.54,34.89 68.57,34.89 ; 77.4,65.57 v1(77.51,65.57) ; C31.1 C28.1 83.15,46.71 J4.4 ; v1(79.35,4.68) 79.35,4.68 U2.4 77.33,4.59 C23.1 75.09,4.66 74.14,4.66 72.15,6.65 Q2.2
  Top w0.8: C25.2 73.06,40.93 72.04,40.93 72.04,41.07 C22.2 70.48,42.64 70.48,45.39 v1(70.44,45.42) ; v1(25.73,25.33) v1(26.7,25.33) 35.84,25.33 v1(35.89,25.28) v1(36.86,25.28) v1(36.86,20.04) ; D22.2 74.32,79.56 C37.2
  Bottom w0.25: 5.5,71.19 5.5,72.02
  Bottom w0.4: 69.64,33.95 v1(69.61,33.99)
  Bottom w0.508: v1(65.64,54.65) v1(69.41,54.65) ; 84.27,4.68 v1(84.31,4.64) ; v1(70.07,18.96) 70.07,18.86 67.68,16.47 v1(67.51,16.47)
  Bottom w0.7: 84.27,4.68 v1(79.35,4.68) 79.35,4.68 ; v1(70.66,38.14) 67.13,38.14 v1(66.74,38.52) ; v1(77.51,65.57) 77.15,65.21 v1(72.99,65.21) 70.49,65.21 69.73,65.97 v1(68.42,65.97) ; 69.82,66.06 69.77,66.01 69.77,70.27 v1(69.73,70.31) ; J4.4 72.32,43.55 v1(70.44,45.42) 68.73,47.13 v1(65.69,47.13) ; 71.57,2.43 71.58,2.43 71.78,2.22 96.34,2.22 97.24,3.12 97.24,5.17 99.55,7.48 102.22,7.48 103.19,8.45 103.19,14.01 v1(103.22,14.04) 104.44,15.26 104.44,67.83 J5.4 102.99,69.18 96.52,69.18 J8.4
  vias: v1(2.7,9.61) v1(5.31,61.65) v1(5.46,69.12) v1(5.41,65.41) v1(5.44,54.03) v1(5.44,50.25) v1(5.41,46.41) v1(5.46,38.76) v1(5.41,31.22) v1(5.44,27.31) v1(5.46,23.58) v1(5.46,19.69) v1(5.41,12.09) v1(5.52,57.84) v1(5.54,42.55) v1(5.49,34.85) v1(5.52,15.9) v1(27.36,78.06) v1(28.38,78.06) v1(29.06,7.98) v1(29.44,78.06) v1(30.08,7.98) v1(30.56,78.06) v1(31.14,7.98) v1(31.63,78.06) v1(32.26,7.98) v1(32.74,78.06) v1(32.85,64.65) v1(33.33,7.98) v1(33.86,64.65) v1(34.45,7.98) v1(34.93,64.65) v1(36.05,64.65) v1(37.11,64.65) v1(38.23,64.65) v1(40.85,33.56) v1(41.86,33.56) v1(42.93,33.56) v1(44.05,33.56) v1(44.33,19.77) v1(45.11,33.56) v1(45.39,19.77) v1(46.23,33.56) v1(46.51,19.77) v1(47.88,27.36) v1(48.9,27.36) v1(49.97,27.36) v1(51.08,27.36) v1(52.15,27.36) v1(53.12,33.71) v1(53.27,27.36) v1(53.37,40.62) v1(53.47,52.81) v1(53.62,65.71) v1(53.78,77.91) v1(53.93,8.06) v1(54.18,33.71) v1(54.39,40.62) v1(54.49,52.81) v1(54.64,65.71) v1(54.79,77.91) v1(54.94,8.06) v1(55.3,33.71) v1(55.45,40.62) v1(55.55,52.81) v1(55.6,19.89) v1(55.71,65.71) v1(55.86,77.91) v1(55.83,2.47) v1(56.01,8.06) v1(56.44,33.71) v1(56.57,40.62) v1(56.67,52.81) v1(56.67,19.89) v1(56.67,2.47) v1(56.82,65.71) v1(56.98,77.91) v1(57.13,8.06) v1(57.51,33.71) v1(57.56,2.47) v1(57.64,40.62) v1(57.74,52.81) v1(57.79,19.89) v1(57.89,65.71) v1(58.04,77.91) v1(58.2,8.06) v1(58.4,2.47) v1(58.63,33.71) v1(58.75,40.62) v1(58.86,52.81) v1(59.01,65.71) v1(59.16,77.91) v1(59.31,8.06) v1(68.15,6.71) v1(68.15,5.87) v1(69.02,6.71) v1(69.02,5.87) v1(77.85,52.2) v1(80.04,40.85) v1(80.55,54.03) v1(80.85,40.85) v1(81.36,54) v1(83.23,27.04) v1(86.21,40.19) v1(87,40.16) v1(89.11,52.76) v1(89.95,52.73) v1(90.12,17.23) v1(90.1,16.39) v1(90.1,15.6) v1(90.76,52.73) v1(91.18,38.5) v1(91.18,37.58) v1(91.18,36.67) v1(96.83,24.92) v1(96.93,32.97) v1(99.95,18.72) v1(99.95,17.81) v1(99.95,16.95) v1(100.68,41.39) v1(101.64,41.37) v1(102.63,41.34)
/AFE_PWR: length 17.9
  Top w0.25: C17.1 74.5,24.05 U1.14 ; JP1.3 67.56,19.87 67.56,17.79 69.55,17.79 R17.1 71.53,17.83 71.62,17.74
  Top w0.254: C17.1 71.95,23.6 70.61,23.6 69.74,22.72 69.74,21.45 68.72,20.43 JP1.3
/LDOIN: length 9.6
  Top w0.254: JP1.2 68.73,21.73 69.28,22.29 69.28,23.38 70.07,24.16 71.79,24.16 71.89,24.27 74.06,24.27 74.33,24.55 U1.13
/STM32/ADC_TH3: length 48.9
  Top w0.25: 74.6,48.87 75.54,47.92 v1(76.81,47.92)
  Top w0.254: U6.6 75.07,53.45 74.5,52.89 74.5,48.96 R30.1
  Bottom w0.25: J6.2 93.59,29.91 92.85,30.65 92.85,47.14 92.2,47.79 89.86,47.79 89.19,47.12 78.18,47.12 77.39,47.92 v1(76.81,47.92)
/STM32/ADC_TH4: length 41.7
  Top w0.25: U6.7 75.41,52.65 74.96,52.19 74.96,50.76 76.4,49.32 76.42,49.32 v1(76.43,49.31) 76.44,49.32 76.65,49.32 77.54,48.43 77.54,47.03 v1(76.9,46.4) R34.1 75.54,46.29
  Bottom w0.25: J10.2 95.37,38.04 93.3,40.11 93.3,47.43 92.48,48.24 89.67,48.24 89,47.57 78.37,47.57 76.64,49.31 v1(76.43,49.31)
/STM32/ADC_TH5: length 52.1
  Top w0.25: R32.1 v1(77.29,44.74) 78.15,45.61 78.15,50.42 78.3,50.57 78.3,50.9
  Bottom w0.25: J7.2 92.4,27.85 92.4,46.75 91.81,47.34 90.04,47.34 89.35,46.65 79.19,46.65 v1(77.29,44.74)
AFE_EN: length 35.5
  Top w0.254: U1.79 78.37,33.38 v1(77.73,34.02) ; U6.14 81.41,49.51 82.1,48.82 82.1,45.86 v1(82.11,45.85)
  Bottom w0.254: v1(82.11,45.85) 82.2,45.76 88.94,45.76 90.24,44.47 90.24,42.64 89.88,42.28 85.45,42.28 83.04,39.86 83.04,37.32 81.32,35.6 81.32,34.58 80.62,33.88 77.87,33.88 v1(77.73,34.02)
AOUT: length 17
  Top w0.254: U1.10 74.8,26.05 73.37,27.48 70.22,27.48 68.19,29.51 68.19,33.02 67.07,34.14 67.07,35.37 67.4,35.7 U4.3
BA1: length 92.7
  Top w0.254: U1.76 79.87,34.32 79.16,35.02 79.16,39.16 v1(78.99,39.33)
  Top w0.4: v1(22.34,66.44) 22.29,66.44 21.59,65.74 R88.1
  Bottom w0.254: v1(22.34,66.44) 27.62,66.44 32.69,61.37 32.69,38.18 34.07,36.81 76.54,36.81 78.99,39.26 v1(78.99,39.33)
BA2: length 97.5
  Top w0.254: v1(81.7,39.28) 81.85,39.14 81.85,32.51 U1.72 81.88,32.48
  Top w0.4: R87.1 21.09,62.66 v1(21.98,62.66)
  Bottom w0.254: v1(81.7,39.28) 81.7,38.27 80.87,37.43 80.87,35.38 80.87,35.37 80.87,34.77 80.43,34.33 79.57,34.33 78,35.9 33.65,35.9 31.76,37.79 31.76,61.02 30.14,62.64 22,62.64 v1(21.98,62.66)
BA3: length 101.2
  Top w0.254: U1.68 83.87,34.1 84.56,34.78 84.56,38.95 v1(84.22,39.28)
  Top w0.4: v1(22.1,58.83) 22.08,58.8 R86.1
  Bottom w0.254: v1(84.22,39.28) 84.22,35.32 80.46,31.56 33.37,31.56 30.85,34.08 30.85,57.32 29.34,58.83 v1(22.1,58.83)
BA4: length 93.2
  Top w0.254: U1.64 85.87,34.01 86.23,34.37 v1(86.23,34.63) ; 21.86,54.92 v1(22.08,54.94) 21.92,54.98
  Top w0.4: R85.1 21.86,54.92
  Bottom w0.254: v1(22.08,54.94) 28.68,54.94 29.94,53.68 29.94,33.68 32.97,30.66 83.35,30.66 83.58,30.42 84.73,30.42 86.23,31.92 v1(86.23,34.63)
BA5: length 89.7
  Top w0.254: 22.08,51.08 v1(22.1,51.08) 22.1,51.11 22.13,51.13 ; v1(89.77,31.49) 89.77,31 U1.60
  Top w0.4: 22.08,51.08 R66.1
  Bottom w0.254: v1(22.1,51.08) 27.74,51.08 29.04,49.79 29.04,33.31 32.6,29.75 82.94,29.75 83.18,29.51 85.11,29.51 87.08,31.49 v1(89.77,31.49)
BA6: length 85.7
  Top w0.254: U1.56 88.27,28.55 87.97,28.84 v1(87.97,30.03) ; 21.92,47.27 21.95,47.27 v1(21.97,47.3) 21.9,47.27
  Top w0.4: R65.1 21.9,47.27
  Bottom w0.254: v1(21.97,47.3) 26.14,47.3 28.13,45.31 28.13,32.93 32.22,28.84 82.56,28.84 82.8,28.6 85.49,28.6 86.91,30.03 v1(87.97,30.03)
BA7: length 85.3
  Top w0.254: U1.52 88.27,26.55 87.33,27.48 v1(87.33,28.49)
  Top w0.4: R64.1 v1(21.95,43.41)
  Bottom w0.254: v1(87.33,28.49) 86.66,28.49 84.15,25.98 67.33,25.98 65.57,24.22 35.55,24.22 27.22,32.56 27.22,41.88 25.68,43.41 v1(21.95,43.41)
BA8: length 82.1
  Top w0.254: 21.85,39.69 v1(21.87,39.68) 21.83,39.69 21.84,39.69 ; 20.63,39.69 R63.1 ; U1.48 88.27,24.55 87.86,24.95 87.86,25.93 v1(86.87,26.91)
  Top w0.4: 21.85,39.69 20.63,39.69
  Bottom w0.254: v1(86.87,26.91) 86.36,26.91 84.51,25.06 67.69,25.06 65.94,23.31 35.18,23.31 26.31,32.18 26.31,38.14 24.77,39.68 v1(21.87,39.68)
BA9: length 78.2
  Top w0.254: v1(86.14,25) 86.29,25 87.45,23.85 87.45,23.37 88.27,22.55 U1.44
  Top w0.4: R62.1 v1(21.9,35.82)
  Bottom w0.254: v1(86.14,25) 85.29,24.15 68.07,24.15 66.32,22.41 65.66,22.41 ; v1(21.9,35.82) 23.98,35.82 25.38,34.42 25.38,31.83 34.8,22.41 65.63,22.41
BA10: length 80.9
  Top w0.254: U1.40 87.37,18.4 v1(88.26,17.52)
  Top w0.4: R61.1 v1(21.77,32.08)
  Bottom w0.254: v1(21.77,32.08) 23.83,32.08 34.42,21.5 65.98,21.5 ; 66,21.5 66.7,21.5 68.44,23.24 87.76,23.24 89.04,21.96 89.04,18.3 v1(88.26,17.52)
BA11: length 73.8
  Top w0.254: v1(85.72,20.74) 85.72,20.41 85.37,20.06 U1.36
  Top w0.4: R42.1 v1(21.64,28.3)
  Bottom w0.254: v1(21.64,28.3) 26.33,28.3 36.57,18.06 64.41,18.06 64.42,18.07 65.09,18.07 69.35,22.34 84.27,22.34 85.72,20.89 v1(85.72,20.74)
BA12: length 70.9
  Top w0.254: v1(84.19,20.74) 83.98,20.74 83.37,20.13 U1.32
  Top w0.4: R41.1 v1(21.75,24.49)
  Bottom w0.254: v1(84.19,20.74) 83.94,20.74 83.25,21.43 69.85,21.43 65.58,17.15 35.94,17.15 28.6,24.49 v1(21.75,24.49)
BA13: length 70
  Top w0.254: v1(81.8,17.1) 81.37,17.53 U1.28
  Top w0.4: v1(21.72,20.73) R40.1
  Bottom w0.254: v1(81.8,17.1) 81.8,19.61 80.89,20.52 70.23,20.52 65.9,16.19 32.55,16.19 28.57,20.17 22.28,20.17 v1(21.72,20.73)
BA14: length 75.4
  Top w0.254: U1.24 79.37,17.45 78.72,16.79 78.72,13.32 v1(79.34,12.69)
  Top w0.4: R39.1 21.18,16.25 v1(21.18,16.16)
  Bottom w0.254: v1(79.34,12.69) 79.34,18.66 78.39,19.61 75.2,19.61 72.68,17.09 72.68,15.88 72.09,15.29 71.43,15.29 71.42,15.28 22.06,15.28 v1(21.18,16.16)
BA15: length 65
  Top w0.254: U1.20 75.04,20.17 v1(75.04,15.48)
  Top w0.4: R38.1 21.05,13.08 v1(21.8,12.34)
  Bottom w0.254: v1(75.04,15.48) 75.04,16.72 74.62,17.14 74.01,17.14 73.59,16.72 73.59,15.27 72.71,14.38 72.04,14.38 72.03,14.37 24.15,14.37 22.12,12.34 v1(21.8,12.34)
BA16: length 68.4
  Top w0.254: U1.16 76.86,23.05 77.56,22.34 77.56,21.22 75.77,19.43 v1(75.77,18.28)
  Top w0.4: R37.1 20.52,9.23 v1(22.22,9.23)
  Bottom w0.254: v1(75.77,18.28) 75.77,14.91 74.33,13.47 25.39,13.47 22.22,10.3 v1(22.22,9.23)
CV1: length 32.3
  Top w0.7: R92.2 34.42,69.32 R100.2 30.5,69.32 R96.2 ; 8.73,67.39 8.74,67.38 ; R101.1 10.27,67.33
  Top w0.8: R96.2 26.57,69.07 22.17,64.66 21.15,64.66 21.15,64.66 18.35,64.66 18.34,64.65 15.55,64.65 13.85,66.35 11.05,66.35 10.27,67.14 10.27,67.33 ; J1.2 8.73,67.39 ; 8.74,67.38 R101.1
CV2: length 60.2
  Top w0.7: 8.74,63.54 8.7,63.58 R2.2 ; 21.62,60.89 17.44,60.89 Qc3.2
  Top w0.762: 56.72,69.43 R99.2
  Top w0.8: 21.62,60.89 27.34,66.6 49.97,66.6 50.7,67.34 50.72,67.34 R91.2 56.72,69.43 ; 17.27,60.77 15.97,60.77 14.23,62.51 11.05,62.51 10.27,63.3 Rl15.1 R2.2 ; R99.2 R95.2 ; J1.3 8.7,63.58
CV3: length 31
  Top w0.7: R90.2 R98.2 R94.2 25.69,56.36
  Top w0.762: J1.4 8.7,59.77 R3.2 Rl14.1 10.29,59.79 ; 17.06,57.24 17.67,57.24
  Top w0.8: 10.29,59.79 10.29,59.76 11.38,58.68 14.58,58.68 16.02,57.24 24.81,57.24 25.69,56.36
CV4: length 49.2
  Top w0.7: R89.2 38.68,56.36
  Top w0.762: J1.5 8.75,55.96 R4.2 Rl13.1 10.3,55.96 J1.5
  Top w0.8: Rl13.1 10.32,55.93 11.32,54.92 14.48,54.92 16.11,53.29 22.03,53.29 22.81,54.07 36.56,54.07 38.68,56.19 ; R89.2 R93.2 R97.2
CV5: length 60.6
  Top w0.508: 8.55,52.15 8.65,52.05
  Top w0.7: 17.6,49.6 16.81,49.6 17.25,49.6 ; J1.6 8.78,52.15 ; 10.34,51.85 Rl12.1 R5.2 ; R67.2 52.58,56.36
  Top w0.762: 8.78,52.15 R5.2
  Top w0.8: 10.34,51.85 11.1,51.09 14.63,51.09 16.12,49.6 16.81,49.6 ; R67.2 R73.2 R84.2 ; 16.83,49.58 22.58,49.58 25.07,52.07 37.95,52.07 39.86,53.98 50.19,53.98 52.58,56.36
